# Altium PCB Ixora.PcbDoc (part 10 of 13) (continued)
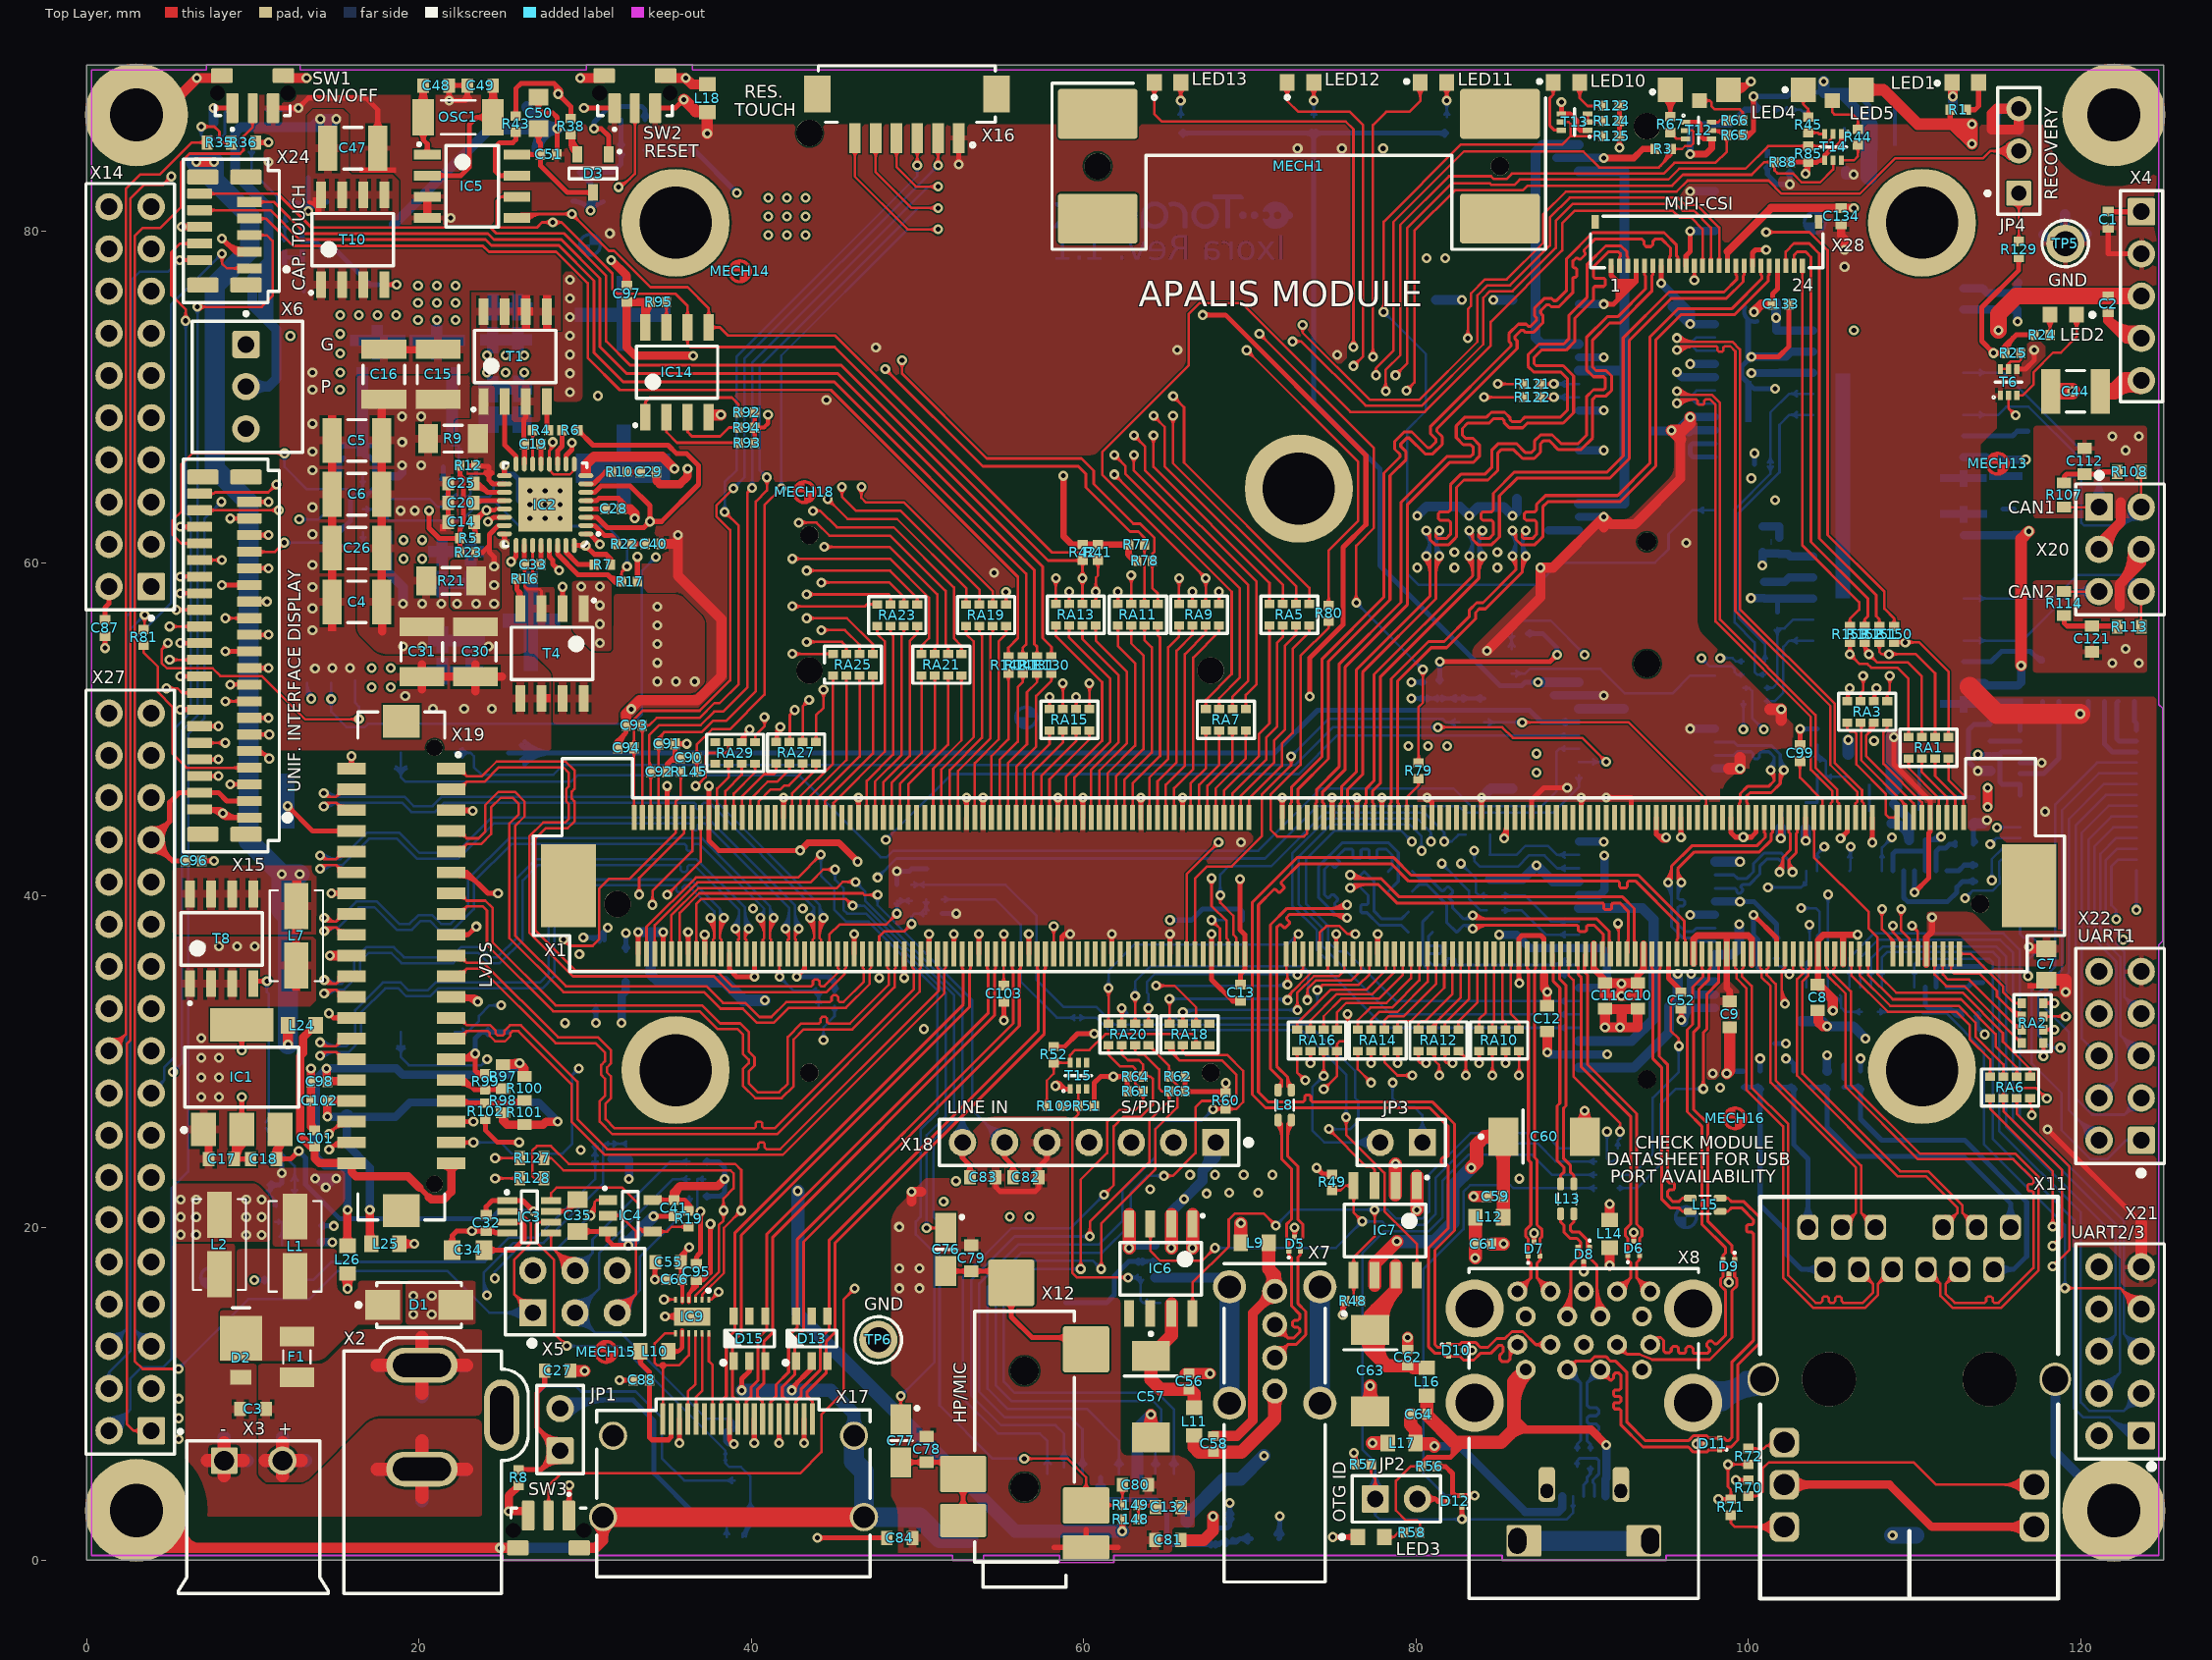
[diagram p0: Top Layer view]
## Nets (pads, with @x,y where several pads share a name; then routed paths per layer and width w, separated by ;. In a path a pad name is that pad's centre, name@x,y a point inside that pad or via, vN(x,y) a via of type N, cw(c..) or ccw(c..) an arc to the next point about the centre after c; other vN are vias at no path point) (continued)
  Mid-Layer 2 w1.2: X17.S4@31.683,7.5 31.683,5.083 31.083,4.483 31.083,2.612 31.096,2.6 X17.S2@46.783,2.6 58.912,2.6 62.612,6.3 68.75,6.3 v1(70.85,6.3) 73.127,6.3 74.22,7.393 ; 68.78,6.33 X7.S4@68.78,9.46 ; X7.S1@74.22,9.46 X7.S1@74.22,8.6 ; 75.313,8.485 74.22,7.393 ; X8.S1@83.53,9.48 X8.S4@96.67,9.48 ; X8.S1@84.343,10.293 ccw(c86.306,12.256) 86.306,9.48 ; X9.S2@86.1,1.175 86.1,4.3 83.53,6.87 83.53,8.6 80.587,8.6 75.943,8.6 X7.S1@74.22,8.6 ; 86.1,2.661 ccw(c87.286,2.661) X9.S2@86.447,1.822 ; X8.S4@95.857,8.667 ccw(c93.894,6.704) 93.894,9.48 ccw(c93.894,12.256) X8.S4@95.857,10.293 ; 74.22,7.393 X7.S1@74.22,8.6
  Bottom Layer w0.6: v1(24.885,0.75) 30.65,0.75 31.083,1.183 X17.S1@31.083,2.6 ; X17.S1@30.694,2.211 cw(c29.755,1.272) 31.083,1.272 cw(c32.411,1.272) X17.S1@31.472,2.211 ; R117.2@64.304,17.02 68.22,17.02 X7.S3@68.78,16.46 ; X11.S1@118.47,10.9 118.47,6.53 pad.M3@122,3
  Bottom Layer w0.8: v1(39.433,10.231) v1(42.45,10.231) 44.78,10.231 46.183,8.828 X17.S3@46.183,7.5 ; X17.S3@45.865,7.818 ccw(c45.097,8.586) 46.183,8.586 ccw(c47.27,8.586) X17.S3@46.501,7.818 ; X10.S1@66.23,2.35 66.23,2.66 68.47,4.9 69.45,4.9 v1(70.85,6.3)
  Bottom Layer w1: X8.S4@96.67,9.48 98.45,9.48 ; X8.S4@96.795,9.696 ccw(c97.688,11.24) 98.949,9.979 ; X8.S4@97.296,10.562 ccw(c98.363,12.407) 99.87,10.9 ; X8.S4@97.846,9.056 cw(c98.45,8.838) 98.45,9.48 cw(c98.45,10.122) X8.S4@97.846,9.904 ; X11.S2@100.574,10.597 ccw(c99.87,9.93) 99.87,10.9 ; X11.S2@100.574,11.203 cw(c99.87,11.87) 99.87,10.9 ; X11.S2@100.863,10.385 ccw(c100.652,7.278) 98.45,9.48 ; X11.S2@100.893,10.9 99.87,10.9 ; 98.45,9.48 99.87,10.9
  Bottom Layer w1.2: X17.S3@46.183,7.5 46.183,5.95 46.783,5.35 X17.S2@46.783,2.6 50.1,2.6 51.35,1.35 X10.S2@53.07,1.35 ; X7.S4@68.78,9.46 X7.S3@68.78,16.46 ; X7.S1@74.22,9.46 X7.S2@74.22,16.46 ; X9.S2@86.1,1.175 X9.S1@94.1,1.175
SHIELD2: L18.2 pad.M3@3,87 pad.M3@122,87 SW1.SH1 SW1.SH2 SW2.SH1 SW2.SH2 | length 129.6
  Top Layer w0.6: pad.M3@4.45,87 v1(6.65,89.2) SW1.SH2@8.5,89.2 ; SW1.SH1@11.85,89.35 12,89.2 v1(13.243,89.2) ; v1(29.708,89.2) SW2.SH2@31.1,89.2 ; SW2.SH1@34.664,89.2 v1(36.056,89.2) 36.426,88.83 L18.2@37.35,88.83
  Top Layer w0.7: pad.M3@3,87 pad.M3@4.45,87
  Mid-Layer 1 w0.7: v1(6.65,89.2) v1(13.243,89.2) v1(36.056,89.2) 97.545,89.2 99.395,87.35 104.155,87.35 105.655,88.85 118.033,88.85 119.883,87 pad.M3@122,87
SPDIF1_IN: RA13.5 X18.2 | length 50.6
  Top Layer w0.15: v1@58.172,58.947 cw(c57.788,58.563) 58.331,58.563 cw(c58.874,58.563) v1@58.49,58.947 ; RA13.5@58.207,57.68 ccw(c57.909,57.979) 58.331,57.979 ccw(c58.754,57.979) RA13.5@58.455,57.68 ; RA13.5@58.331,57.556 v1(58.331,59.106)
  Mid-Layer 2 w0.15: v1(58.331,59.106) 59.131,59.106 59.766,58.471 59.766,57.607 61.519,55.855 61.519,51.232 61.138,50.851 61.138,37.363 59.233,35.458 59.233,30.367 62.5,27.1 63.46,27.1 X18.2@65.41,25.15 ; v1@58.49,58.947 cw(c58.874,58.563) 58.874,59.106 cw(c58.874,59.649) v1@58.49,59.265 ; X18.2@64.66,25.15 ccw(c62.849,25.15) 64.13,26.43 ccw(c65.41,27.711) X18.2@65.41,25.9 ; X18.2@64.81,25.15 ccw(c63.361,25.15) 64.386,26.174 ccw(c65.41,27.199) X18.2@65.41,25.75 ; X18.2@64.96,25.15 ccw(c63.874,25.15) 64.642,25.918 ccw(c65.41,26.686) X18.2@65.41,25.6
SPDIF1_OUT: RA13.6 X18.3 | length 41.5
  Top Layer w0.15: v1@58.972,58.134 cw(c58.588,57.75) 59.131,57.75 cw(c59.674,57.75) v1@59.29,58.134 ; RA13.6@59.007,57.68 ccw(c58.709,57.979) 59.131,57.979 ccw(c59.554,57.979) RA13.6@59.255,57.68 ; RA13.6@59.131,57.556 v1(59.131,58.293)
  Mid-Layer 2 w0.15: v1@58.972,58.134 cw(c58.588,57.75) 59.131,57.75 cw(c59.674,57.75) v1@59.29,58.134 ; v1(59.131,58.293) 59.131,57.404 60.935,55.601 60.935,51.474 60.554,51.093 60.554,37.694 58.733,35.873 58.733,30.387 62.87,26.25 ; X18.3@62.596,25.848 ccw(c62.438,26.25) 62.87,26.25 ; X18.3@62.651,25.709 ccw(c62.525,26.03) 62.87,26.03 ccw(c63.215,26.03) X18.3@63.089,25.709 ; X18.3@62.87,25.15 62.87,26.25 ; X18.3@63.144,25.848 cw(c63.302,26.25) 62.87,26.25
SPI1_CLK: RA15.8 X27.8 | length 110.2
  Top Layer w0.15: v1@60.191,52.622 cw(c59.807,52.238) 60.35,52.238 cw(c60.894,52.238) v1@60.509,52.622 ; RA15.8@60.227,51.356 ccw(c59.928,51.654) 60.35,51.654 ccw(c60.773,51.654) RA15.8@60.474,51.356 ; RA15.8@60.35,51.232 v1(60.35,52.781)
  Mid-Layer 2 w0.15: v1(56.743,20.668) 57.868,20.668 61.58,24.38 61.58,26.431 57.725,30.286 57.725,38.475 59.42,40.17 59.42,50.936 60.35,51.765 v1(60.35,52.781) ; v1@56.902,20.509 cw(c57.286,20.125) 57.286,20.668 cw(c57.286,21.211) v1@56.902,20.827 ; v1@60.191,52.622 cw(c59.807,52.238) 60.35,52.238 cw(c60.894,52.238) v1@60.509,52.622
  Mid-Layer 1 w0.15: X27.8@1.36,15.42 2.63,14.15 ; X27.8@1.363,14.82 cw(c1.372,13.4) 2.376,14.404 cw(c3.38,15.408) X27.8@1.96,15.417 ; X27.8@1.363,14.97 cw(c1.369,13.905) 2.122,14.658 cw(c2.875,15.411) X27.8@1.81,15.417 ; X27.8@1.364,14.67 cw(c1.375,12.895) 2.63,14.15 ; X27.8@2.11,15.416 ccw(c3.885,15.405) 2.63,14.15 ; v1@56.518,20.668 cw(c55.975,20.668) 56.359,20.284 cw(c56.743,19.9) v1@56.743,20.443 ; v1(56.743,20.668) 55.582,19.507 42.215,19.507 40.843,18.136 35.839,18.136 33.782,20.193 24.865,20.193 23.189,18.517 17.013,18.517 15.87,17.374 11.76,17.374 8.537,14.15 2.63,14.15
SPI1_CS: RA15.5 X27.9 | length 98.4
  Top Layer w0.15: v1@57.791,51.809 cw(c57.407,51.425) 57.95,51.425 cw(c58.494,51.425) v1@58.11,51.809 ; RA15.5@57.827,51.356 ccw(c57.528,51.654) 57.95,51.654 ccw(c58.373,51.654) RA15.5@58.074,51.356 ; RA15.5@57.95,51.232 v1(57.95,51.968)
  Mid-Layer 2 w0.15: v1@51.424,21.746 ccw(c51.039,22.13) 51.583,22.13 ccw(c52.126,22.13) v1@51.742,21.746 ; v1@51.583,21.587 v1(51.583,21.59) 51.583,22.804 52.095,23.317 58.725,23.317 58.984,23.576 58.984,26.714 55.75,29.948 55.75,39.75 57.02,41.02 57.02,51.038 v1(57.95,51.968) ; v1@57.725,51.968 cw(c57.182,51.968) 57.566,51.584 cw(c57.95,51.2) v1@57.95,51.743
  Mid-Layer 1 w0.15: X27.9@3.9,17.96 8.384,17.96 8.661,18.237 15.001,18.237 16.83,20.066 21.844,20.066 22.999,21.221 25.463,21.221 26.307,22.065 34.831,22.065 37.49,19.406 39.141,19.406 41.326,21.59 v1(51.583,21.59) ; X27.9@4.427,17.674 cw(c4.908,17.413) 4.908,17.96 cw(c4.908,18.507) X27.9@4.427,18.246 ; X27.9@4.559,17.602 cw(c5.16,17.277) 5.16,17.96 cw(c5.16,18.643) X27.9@4.559,18.318 ; v1@51.424,21.431 ccw(c51.039,21.047) 51.039,21.59 ccw(c51.039,22.133) v1@51.424,21.749
SPI1_MISO: RA15.7 X27.10 | length 108
  Top Layer w0.15: v1@59.391,51.809 cw(c59.007,51.425) 59.55,51.425 cw(c60.094,51.425) v1@59.71,51.809 ; RA15.7@59.427,51.356 ccw(c59.128,51.654) 59.55,51.654 ccw(c59.973,51.654) RA15.7@59.674,51.356 ; RA15.7@59.55,51.232 v1(59.55,51.968)
  Mid-Layer 2 w0.15: v1(55.554,20.668) 56.197,21.311 57.905,21.311 61.33,24.736 61.33,26.192 58.363,29.159 57.963,29.159 57.175,29.947 57.175,38.575 58.925,40.325 58.925,51.343 v1(59.55,51.968) ; v1@55.554,20.893 ccw(c55.554,21.436) 55.938,21.052 ccw(c56.323,20.668) v1@55.779,20.668 ; v1@59.325,51.968 cw(c58.782,51.968) 59.166,51.584 cw(c59.55,51.2) v1@59.55,51.743
  Mid-Layer 1 w0.15: X27.10@1.36,17.21 cw(c1.36,15.399) 2.64,16.68 cw(c3.921,17.96) X27.10@2.11,17.96 ; X27.10@1.36,17.36 cw(c1.36,15.911) 2.384,16.936 cw(c3.409,17.96) X27.10@1.96,17.96 ; X27.10@1.36,17.51 cw(c1.36,16.424) 2.128,17.192 cw(c2.896,17.96) X27.10@1.81,17.96 ; X27.10@1.36,17.96 2.67,16.65 7.989,16.65 9.169,17.831 15.443,17.831 17.196,19.583 22.19,19.583 23.325,20.718 25.671,20.718 26.515,21.562 34.389,21.562 37.196,18.756 40.015,18.756 41.928,20.668 v1(55.554,20.668) ; v1@55.395,20.509 ccw(c55.011,20.125) 55.011,20.668 ccw(c55.011,21.211) v1@55.395,20.827
SPI1_MOSI: RA15.6 X27.11 | length 95.8
  Top Layer w0.15: v1@58.591,52.622 cw(c58.207,52.238) 58.75,52.238 cw(c59.294,52.238) v1@58.91,52.622 ; RA15.6@58.627,51.356 ccw(c58.328,51.654) 58.75,51.654 ccw(c59.173,51.654) RA15.6@58.874,51.356 ; RA15.6@58.75,51.232 v1(58.75,52.781)
  Mid-Layer 2 w0.15: v1(52.325,22.821) 58.847,22.821 59.284,23.258 59.284,26.895 57.658,28.52 57.658,28.778 56.225,30.211 56.225,39.175 57.82,40.77 57.82,51.064 58.744,51.887 ; v1@52.484,22.662 cw(c52.869,22.278) 52.869,22.821 cw(c52.869,23.365) v1@52.484,22.98 ; v1@58.591,52.622 cw(c58.207,52.238) 58.75,52.238 cw(c59.294,52.238) v1@58.91,52.622 ; 58.75,51.887 v1(58.75,52.781)
  Mid-Layer 1 w0.15: X27.11@3.9,20.5 4.868,20.5 ; X27.11@4.626,20.313 cw(c4.868,20.25) 4.868,20.5 ; X27.11@4.626,20.687 ccw(c4.868,20.75) 4.868,20.5 ; v1@52.1,22.821 ccw(c51.557,22.821) 51.941,23.205 ccw(c52.325,23.59) v1@52.325,23.046 ; v1(52.325,22.821) 51.576,23.571 32.182,23.571 31.177,22.567 26.099,22.567 25.255,21.723 22.612,21.723 21.438,20.549 15.385,20.549 15.182,20.752 13.757,20.752 13.14,20.135 5.233,20.135 4.868,20.5
SPI2_CLK: R142.1 X24.7 | length 64.5
  Top Layer w0.165: X24.7@9.8,80.75 10.792,80.75 12.432,79.11 23.851,79.11 24.209,78.752 28.269,78.752 30.164,76.857 30.164,72.361 32.091,70.434 44.791,70.434 56.047,59.178 56.047,55.495 55.474,54.922 R142.1@55.474,54.353 ; X24.7@10.404,80.596 cw(c10.775,80.225) 10.775,80.75 cw(c10.775,81.275) X24.7@10.404,80.904 ; R142.1@55.33,54.497 ccw(c54.985,54.842) 55.474,54.842 ccw(c55.962,54.842) R142.1@55.617,54.497
SPI2_CS: R141.1 X24.8 | length 68
  Top Layer w0.165: X24.8@6.8,81.25 11.062,81.25 12.821,79.491 24.009,79.491 24.367,79.133 28.427,79.133 30.545,77.014 30.545,72.68 32.296,70.929 44.996,70.929 56.542,59.384 56.542,55.122 56.337,54.917 R141.1@56.337,54.353 ; X24.8@7.404,81.096 cw(c7.775,80.725) 7.775,81.25 cw(c7.775,81.775) X24.8@7.404,81.404 ; R141.1@56.194,54.497 ccw(c55.848,54.842) 56.337,54.842 ccw(c56.826,54.842) R141.1@56.48,54.497
SPI2_MISO: R130.1 X24.10 | length 69.6
  Top Layer w0.165: X24.10@6.8,82.25 11.501,82.25 13.538,80.213 24.308,80.213 24.666,79.855 28.726,79.855 31.267,77.314 31.267,73.372 32.71,71.929 45.41,71.929 57.542,59.798 57.542,55.495 58.064,54.973 R130.1@58.064,54.353 ; X24.10@7.404,82.096 cw(c7.775,81.725) 7.775,82.25 cw(c7.775,82.775) X24.10@7.404,82.404 ; R130.1@57.921,54.497 ccw(c57.576,54.842) 58.064,54.842 ccw(c58.553,54.842) R130.1@58.208,54.497
SPI2_MOSI: R131.1 X24.9 | length 65.7
  Top Layer w0.165: X24.9@9.8,81.75 11.269,81.75 13.172,79.847 24.156,79.847 24.514,79.489 28.574,79.489 30.901,77.162 30.901,73.032 32.503,71.429 45.203,71.429 57.042,59.591 57.042,55.139 57.198,54.984 R131.1@57.198,54.353 ; X24.9@10.404,81.596 cw(c10.775,81.225) 10.775,81.75 cw(c10.775,82.275) X24.9@10.404,81.904 ; R131.1@57.055,54.497 ccw(c56.709,54.842) 57.198,54.842 ccw(c57.687,54.842) R131.1@57.341,54.497
UART1_CTS: IC13.15 RA10.8 | length 52.3
  Top Layer w0.15: v1@83.641,30.093 ccw(c83.257,30.477) 83.8,30.477 ccw(c84.343,30.477) v1@83.959,30.093 ; RA10.8@83.676,30.51 cw(c83.378,30.212) 83.8,30.212 cw(c84.222,30.212) RA10.8@83.924,30.51 ; RA10.8@83.704,30.465 cw(c83.679,30.378) 83.767,30.354 ; v1(83.8,29.934) RA10.8@83.8,30.634 ; 83.833,30.354 cw(c83.921,30.378) RA10.8@83.896,30.465
  Mid-Layer 1 w0.15: v1(83.8,29.934) 85.032,31.166 88.802,31.166 92.384,27.584 104.851,27.584 105.68,28.413 105.68,31.487 107.645,33.452 115.122,33.452 v1(116.834,35.164) ; v1@83.8,30.159 ccw(c83.8,30.702) 84.184,30.318 ccw(c84.568,29.934) v1@84.025,29.934 ; v1@116.609,35.164 cw(c116.066,35.164) 116.45,34.779 cw(c116.834,34.395) v1@116.834,34.939
  Bottom Layer w0.15: IC13.15@116.35,41.504 116.35,37.701 116.586,37.465 117.119,37.465 117.399,37.186 117.399,36.678 116.834,36.113 v1(116.834,35.164) ; v1@116.675,35.323 ccw(c116.291,35.707) 116.834,35.707 ccw(c117.377,35.707) v1@116.993,35.323
UART1_DCD: IC13.19 RA12.8 | length 49.6
  Top Layer w0.15: RA12.8@80.026,30.51 cw(c79.728,30.212) 80.15,30.212 cw(c80.573,30.212) RA12.8@80.274,30.51 ; RA12.8@80.15,30.634 80.15,30.035 80.251,29.934 ; v1@80.395,29.841 ccw(c80.251,29.776) 80.251,29.934 ; v1@80.395,30.027 cw(c80.251,30.092) 80.251,29.934 ; v1(80.6,29.934) 80.251,29.934
  Mid-Layer 1 w0.15: v1@80.441,30.093 ccw(c80.057,30.477) 80.6,30.477 ccw(c81.143,30.477) v1@80.759,30.093 ; v1(80.6,29.934) 80.6,31.931 86.056,37.387 103.566,37.387 108.85,42.672 113.149,42.672 114.587,44.11 ; 113.94,43.464 cw(c114.958,42.446) v1@114.958,43.885 ; 114.196,43.72 cw(c114.958,42.959) v1@114.958,44.035 ; 114.453,43.976 cw(c114.958,43.471) v1@114.958,44.185 ; v1@114.758,44.006 ccw(c114.587,43.917) 114.587,44.11 ; v1@114.758,44.214 cw(c114.587,44.303) 114.587,44.11 ; v1(114.958,44.11) 114.587,44.11
  Bottom Layer w0.15: v1(114.958,44.11) 116.344,44.11 IC13.19@116.35,44.104 ; v1@115.117,43.951 cw(c115.501,43.567) 115.501,44.11 cw(c115.501,44.653) v1@115.117,44.269
UART1_DSR: IC13.17 RA12.6 | length 47
  Top Layer w0.15: RA12.6@81.626,30.51 cw(c81.328,30.212) 81.75,30.212 cw(c82.173,30.212) RA12.6@81.874,30.51 ; RA12.6@81.75,30.634 81.75,30.02 81.836,29.934 ; v1@81.999,29.834 ccw(c81.836,29.753) 81.836,29.934 ; v1@81.999,30.034 cw(c81.836,30.115) 81.836,29.934 ; v1(82.2,29.934) 81.836,29.934
  Mid-Layer 1 w0.15: v1@82.041,30.093 ccw(c81.657,30.477) 82.2,30.477 ccw(c82.743,30.477) v1@82.359,30.093 ; v1(82.2,29.934) 82.2,32.313 86.55,36.662 103.866,36.662 108.875,41.672 112.303,41.672 113.049,40.925 v1(114.65,40.925) ; v1@114.491,40.766 ccw(c114.107,40.382) 114.107,40.925 ccw(c114.107,41.469) v1@114.491,41.085
  Bottom Layer w0.15: v1@114.491,41.085 ccw(c114.107,41.469) 114.65,41.469 ccw(c115.193,41.469) v1@114.809,41.085 ; v1(114.65,40.925) 114.65,42.2 115.254,42.804 IC13.17@116.35,42.804
UART1_DTR: IC13.12 RA10.5 | length 57.5
  Top Layer w0.15: v1@86.041,29.343 ccw(c85.657,29.727) 86.2,29.727 ccw(c86.743,29.727) v1@86.359,29.343 ; RA10.5@86.076,30.51 cw(c85.778,30.212) 86.2,30.212 cw(c86.622,30.212) RA10.5@86.324,30.51 ; v1(86.2,29.184) RA10.5@86.2,30.634
  Mid-Layer 1 w0.15: v1@86.2,28.959 cw(c86.2,28.416) 86.584,28.8 cw(c86.968,29.184) v1@86.425,29.184 ; v1(86.2,29.184) 89.041,26.343 106.601,26.343 107.351,25.592 112.333,25.592 117.25,30.509 117.25,33.786 120.816,37.351 v1(122.563,37.351) ; v1@122.404,37.192 ccw(c122.019,36.808) 122.019,37.351 ccw(c122.019,37.895) v1@122.404,37.511
  Bottom Layer w0.15: v1@122.338,37.351 ccw(c121.794,37.351) 122.179,37.736 ccw(c122.563,38.12) v1@122.563,37.576 ; v1(122.563,37.351) 121.514,38.4 121.514,42.139 122.179,42.804 IC13.12@123.35,42.804
UART1_RI: IC13.18 RA12.7 | length 48.4
  Top Layer w0.15: RA12.7@80.904,30.513 cw(c80.605,30.054) 81.153,30.054 ; RA12.7@80.95,30.634 81.153,30.431 81.153,30.048 81.4,29.801 v1(81.4,29.184) ; RA12.7@80.986,30.613 cw(c80.786,30.305) 81.153,30.305 ; v1@81.241,29.343 ccw(c80.857,29.727) 81.4,29.727 ccw(c81.943,29.727) v1@81.559,29.343
  Mid-Layer 1 w0.15: v1@81.241,29.343 ccw(c80.857,29.727) 81.4,29.727 ccw(c81.943,29.727) v1@81.559,29.343 ; v1(81.4,29.184) 81.4,32.113 86.312,37.025 103.716,37.025 108.863,42.172 113.632,42.172 v1(114.56,43.1) ; v1@114.335,43.1 cw(c113.791,43.1) 114.176,42.716 cw(c114.56,42.332) v1@114.56,42.875
  Bottom Layer w0.15: v1(114.56,43.1) 114.914,43.454 ; v1@114.573,43.325 ccw(c114.599,43.768) 114.914,43.454 ; v1@114.784,43.113 cw(c115.228,43.14) 114.914,43.454 ; IC13.18@116.35,43.454 114.914,43.454
UART1_RS232_CTS: IC13.8 X22.6 | length 17.8
  Bottom Layer w0.15: X22.6@121.1,30.36 120.066,31.394 120.066,43.79 121.68,45.404 IC13.8@123.35,45.404
UART1_RS232_DCD: IC13.4 X22.1 | length 33.3
  Bottom Layer w0.15: X22.1@122.903,25.14 ccw(c122.734,25.108) 122.734,25.28 ; X22.1@122.903,25.42 cw(c122.734,25.452) 122.734,25.28 ; IC13.4@123.35,48.004 120.978,48.004 118.474,45.5 118.474,35.738 117.043,34.308 117.043,29.921 118.847,28.118 118.847,25.883 120.574,24.155 121.609,24.155 122.734,25.28 ; X22.1@123.64,25.28 122.734,25.28
UART1_RS232_DSR: IC13.6 X22.2 | length 33
  Bottom Layer w0.15: X22.2@120.35,25.28 ccw(c118.539,25.28) 119.82,26.56 ccw(c121.1,27.841) X22.2@121.1,26.03 ; X22.2@120.5,25.28 ccw(c119.051,25.28) 120.076,26.304 ccw(c121.1,27.329) X22.2@121.1,25.88 ; X22.2@120.65,25.28 ccw(c119.564,25.28) 120.332,26.048 ccw(c121.1,26.816) X22.2@121.1,25.73 ; X22.2@121.1,25.28 119.278,27.102 119.278,31.801 117.864,33.215 117.864,33.968 119.295,35.398 119.295,44.619 121.38,46.704 IC13.6@123.35,46.704
UART1_RS232_DTR: IC13.11 X22.7 | length 17.7
  Bottom Layer w0.15: X22.7@122.903,33.042 ccw(c121.962,33.222) 122.64,33.9 ; X22.7@123.051,33.013 ccw(c122.298,33.158) 122.84,33.7 ccw(c123.382,34.242) X22.7@123.527,33.489 ; X22.7@123.198,32.985 ccw(c122.633,33.093) 123.04,33.5 ccw(c123.447,33.907) X22.7@123.555,33.342 ; IC13.11@123.35,43.454 122.118,43.454 121.183,42.52 121.183,38.049 122.64,36.593 122.64,33.9 ; X22.7@123.498,33.637 cw(c123.318,34.578) 122.64,33.9 ; X22.7@123.64,32.9 122.64,33.9
UART1_RS232_RI: IC13.5 X22.8 | length 32.4
  Mid-Layer 2 w0.15: v1(118.783,30.848) 119.393,30.848 119.659,31.115 119.659,31.445 121.1,32.886 X22.8@121.1,32.9 ; v1@118.942,30.689 cw(c119.326,30.305) 119.326,30.848 cw(c119.326,31.391) v1@118.942,31.007 ; 120.149,31.935 ccw(c119.294,32.79) X22.8@120.501,32.864 ; 120.155,31.941 cw(c121.025,31.071) X22.8@121.075,32.301 ; X22.8@120.351,32.854 cw(c118.85,32.763) 119.913,31.699 cw(c121.006,30.606) X22.8@121.069,32.151 ; 120.385,32.17 ccw(c119.738,32.817) X22.8@120.651,32.873 ; 120.397,32.183 cw(c121.044,31.536) X22.8@121.082,32.45
  Bottom Layer w0.15: v1@118.624,30.689 ccw(c118.24,30.305) 118.24,30.848 ccw(c118.24,31.391) v1@118.624,31.007 ; v1(118.783,30.848) 118.199,30.848 117.454,31.594 117.454,34.138 118.884,35.568 118.884,45.148 121.09,47.354 IC13.5@123.35,47.354
UART1_RS232_RTS: IC13.9 X22.4 | length 25
  Bottom Layer w0.15: X22.4@121.1,27.82 122.14,28.86 ; X22.4@121.171,28.264 ccw(c121.271,28.897) 121.724,28.444 ccw(c122.177,27.991) X22.4@121.544,27.891 ; X22.4@121.194,28.413 ccw(c121.328,29.256) 121.932,28.652 ccw(c122.536,28.048) X22.4@121.693,27.914 ; X22.4@121.218,28.561 ccw(c121.385,29.614) 122.14,28.86 ; X22.4@121.841,27.938 cw(c122.894,28.105) 122.14,28.86 ; IC13.9@123.35,44.754 121.843,44.754 120.472,43.383 120.472,37.694 122.14,36.026 122.14,28.86
UART1_RS232_RXD: IC13.7 X22.3 | length 30.1
  Bottom Layer w0.15: X22.3@122.903,27.678 cw(c121.962,27.498) 122.64,26.82 ; X22.3@123.051,27.707 cw(c122.298,27.562) 122.84,27.02 cw(c123.382,26.478) X22.3@123.527,27.231 ; X22.3@123.198,27.735 cw(c122.633,27.627) 123.04,27.22 cw(c123.447,26.814) X22.3@123.555,27.378 ; IC13.7@123.35,46.054 121.517,46.054 119.705,44.242 119.705,27.801 120.686,26.82 122.64,26.82 ; X22.3@123.498,27.083 ccw(c123.318,26.143) 122.64,26.82 ; X22.3@123.64,27.82 122.64,26.82
UART1_RS232_TXD: IC13.10 X22.5 | length 23.4
  Bottom Layer w0.15: X22.5@122.89,30.373 ccw(c121.182,30.402) 122.39,31.61 ; X22.5@123.04,30.37 ccw(c121.674,30.394) 122.64,31.36 ccw(c123.606,32.326) X22.5@123.63,30.96 ; X22.5@123.19,30.368 ccw(c122.165,30.385) 122.89,31.11 ccw(c123.615,31.835) X22.5@123.632,30.81 ; IC13.10@123.35,44.104 121.955,44.104 120.828,42.977 120.828,37.871 122.39,36.309 122.39,31.61 ; X22.5@123.627,31.11 cw(c123.598,32.818) 122.39,31.61 ; X22.5@123.64,30.36 122.39,31.61
UART1_RTS: IC13.14 RA10.7 | length 56
  Top Layer w0.15: v1@84.441,29.343 ccw(c84.057,29.727) 84.6,29.727 ccw(c85.143,29.727) v1@84.759,29.343 ; RA10.7@84.476,30.51 cw(c84.178,30.212) 84.6,30.212 cw(c85.022,30.212) RA10.7@84.724,30.51 ; v1(84.6,29.184) RA10.7@84.6,30.634
  Mid-Layer 1 w0.15: v1@84.441,29.343 ccw(c84.057,29.727) 84.6,29.727 ccw(c85.143,29.727) v1@84.759,29.343 ; v1(84.6,29.184) 84.6,30.05 85.081,30.531 86.944,30.531 89.154,28.321 90.678,28.321 91.829,27.17 105.352,27.17 106.197,28.016 106.197,31.29 107.902,32.995 115.367,32.995 121.522,39.15 v1(123.35,39.15) ; v1@123.191,38.991 ccw(c122.807,38.607) 122.807,39.15 ccw(c122.807,39.693) v1@123.191,39.309
  Bottom Layer w0.15: v1@123.191,39.309 ccw(c122.807,39.693) 123.35,39.693 ccw(c123.893,39.693) v1@123.509,39.309 ; v1(123.35,39.15) 123.35,39.809 IC13.14@123.35,41.504
UART1_RXD: IC13.16 RA12.5 | length 48.4
  Top Layer w0.15: RA12.5@82.55,30.634 82.6,30.634 83,30.234 v1(83,29.184) ; RA12.5@82.6,30.459 cw(c82.6,30.037) 82.898,30.336 ; RA12.5@82.775,30.634 ccw(c83.198,30.634) 82.899,30.335 ; v1@82.841,29.343 ccw(c82.457,29.727) 83,29.727 ccw(c83.543,29.727) v1@83.159,29.343
  Mid-Layer 1 w0.15: v1@82.841,29.343 ccw(c82.457,29.727) 83,29.727 ccw(c83.543,29.727) v1@83.159,29.343 ; v1(83,29.184) 83,32.543 86.757,36.3 104.016,36.3 108.913,41.197 111.703,41.197 v1(113.05,39.85) ; v1@112.825,39.85 ccw(c112.282,39.85) 112.666,40.234 ccw(c113.05,40.618) v1@113.05,40.075
  Bottom Layer w0.15: v1@112.975,39.912 113.112,39.912 113.5,40.3 114.696,40.3 115.125,40.729 115.125,41.122 115.103,41.144 115.103,42.05 115.207,42.154 IC13.16@116.35,42.154 ; v1@113.05,40.075 ccw(c113.05,40.618) 113.434,40.234 ccw(c113.818,39.85) v1@113.275,39.85
UART1_TXD: IC13.13 RA10.6 | length 55.4
  Top Layer w0.15: v1@85.241,30.093 ccw(c84.857,30.477) 85.4,30.477 ccw(c85.943,30.477) v1@85.559,30.093 ; RA10.6@85.276,30.51 cw(c84.977,30.212) 85.4,30.212 cw(c85.822,30.212) RA10.6@85.524,30.51 ; RA10.6@85.304,30.465 cw(c85.279,30.378) 85.367,30.354 ; v1(85.4,29.934) RA10.6@85.4,30.634 ; 85.433,30.354 cw(c85.521,30.378) RA10.6@85.496,30.465
  Mid-Layer 1 w0.15: v1(85.4,29.934) 86.627,29.934 88.951,27.61 90.475,27.61 91.328,26.757 107.432,26.757 108.15,26.039 112.09,26.039 116.713,30.662 116.713,33.782 121.512,38.581 v1(122.131,38.581) ; v1@85.559,29.775 cw(c85.943,29.391) 85.943,29.934 cw(c85.943,30.477) v1@85.559,30.093 ; v1@121.972,38.422 ccw(c121.588,38.038) 121.588,38.581 ccw(c121.588,39.124) v1@121.972,38.74
  Bottom Layer w0.15: v1@121.972,38.74 ccw(c121.588,39.124) 122.131,39.124 ccw(c122.674,39.124) v1@122.29,38.74 ; v1(122.131,38.581) 122.131,39.134 121.844,39.421 121.844,41.758 122.24,42.154 IC13.13@123.35,42.154
UART2/3_RS232_FOFF#: IC12.22 R116.1 X1.180 | length 55.8
  Top Layer w0.15: v1@67.7,38.307 cw(c67.7,37.764) 68.084,38.148 cw(c68.468,38.532) v1@67.925,38.532 ; v1(67.7,38.532) 68.2,38.032 X1.180@68.2,36.5 ; X1.180@68.147,37.153 ccw(c68.019,37.281) 68.2,37.281 ccw(c68.381,37.281) X1.180@68.253,37.153
  Mid-Layer 1 w0.15: v1@67.7,38.307 cw(c67.7,37.764) 68.084,38.148 cw(c68.468,38.532) v1@67.925,38.532 ; v1(67.7,38.532) 69.326,36.906 77.826,36.906 82.245,41.326 84.811,41.326 88.139,44.654 107.496,44.654 v1(108.65,43.5) ; v1@108.425,43.5 ccw(c107.882,43.5) 108.266,43.884 ccw(c108.65,44.268) v1@108.65,43.725
  Bottom Layer w0.15: v1(67.7,38.532) R116.1@68.608,38.532 ; v1@67.859,38.373 cw(c68.243,37.989) 68.243,38.532 cw(c68.243,39.075) v1@67.859,38.691 ; IC12.22@107.937,42.306 ccw(c107.681,42.562) 108.043,42.562 ccw(c108.405,42.562) IC12.22@108.149,42.306 ; IC12.22@108.043,41.5 108.043,42.893 v1(108.65,43.5) ; v1@108.425,43.5 cw(c107.882,43.5) 108.266,43.116 cw(c108.65,42.732) v1@108.65,43.275
UART2_CTS: IC12.15 RA14.7 | length 41.3
  Top Layer w0.15: v1@77.141,30.093 ccw(c76.757,30.477) 77.3,30.477 ccw(c77.843,30.477) v1@77.459,30.093 ; RA14.7@77.176,30.51 cw(c76.877,30.211) 77.3,30.211 cw(c77.722,30.212) RA14.7@77.424,30.51 ; v1@77.19,30.13 ccw(c77.054,30.375) 77.324,30.303 ccw(c77.464,30.265) v1@77.4,30.136 ; v1@77.2,30.136 ccw(c77.136,30.265) 77.276,30.303 ccw(c77.546,30.375) v1@77.41,30.13 ; v1(77.3,29.934) RA14.7@77.3,30.634
  Mid-Layer 1 w0.15: v1@77.141,30.067 ccw(c76.757,30.451) 77.3,30.451 ccw(c77.843,30.451) v1@77.459,30.067 ; v1(77.3,29.934) 77.3,34.333 82.845,39.878 90.729,39.878 92.735,41.885 96.672,41.885 97.458,41.099 100.58,41.099 v1(101.183,40.497) ; v1@100.958,40.497 ccw(c100.415,40.497) 100.799,40.881 ccw(c101.183,41.265) v1@101.183,40.722
  Bottom Layer w0.15: v1(101.183,40.497) 103.176,40.497 103.493,40.814 IC12.15@103.493,41.5 ; v1@101.342,40.337 cw(c101.726,39.953) 101.726,40.497 cw(c101.726,41.04) v1@101.342,40.656 ; 103.214,40.534 cw(c103.493,40.255) IC12.15@103.493,40.65 ; 103.247,40.567 ccw(c103.014,40.8) IC12.15@103.343,40.8
UART2_RS232_CTS: IC12.8 X21.6 | length 42.4
  Bottom Layer w0.15: IC12.8@107.287,35.306 ccw(c107.031,35.562) 107.393,35.562 ccw(c107.755,35.562) IC12.8@107.499,35.306 ; IC12.8@107.393,34.5 107.393,36.244 108.1,36.95 114.9,36.95 115.499,36.351 115.499,26.103 122.1,19.502 122.1,13.58 ; X21.6@121.1,12.58 122.1,13.58 ; X21.6@121.185,13.022 ccw(c121.293,13.587) 121.7,13.18 ccw(c122.106,12.773) X21.6@121.542,12.665 ; X21.6@121.213,13.169 ccw(c121.358,13.922) 121.9,13.38 ccw(c122.442,12.838) X21.6@121.689,12.693 ; X21.6@121.242,13.317 ccw(c121.422,14.258) 122.1,13.58 ; X21.6@121.837,12.722 cw(c122.777,12.902) 122.1,13.58
UART2_RS232_RTS: IC12.9 X21.4 | length 48.6
  Bottom Layer w0.15: IC12.9@106.637,35.306 ccw(c106.381,35.562) 106.743,35.562 ccw(c107.105,35.562) IC12.9@106.849,35.306 ; IC12.9@106.743,34.5 106.743,36.269 107.825,37.35 115.15,37.35 115.91,36.59 115.91,26.431 122.35,19.991 122.35,11.29 ; X21.4@121.1,10.04 122.35,11.29 ; X21.4@121.108,10.49 ccw(c121.125,11.515) 121.85,10.79 ccw(c122.575,10.065) X21.4@121.55,10.048 ; X21.4@121.11,10.64 ccw(c121.134,12.006) 122.1,11.04 ccw(c123.066,10.074) X21.4@121.7,10.05 ; X21.4@121.113,10.79 ccw(c121.142,12.498) 122.35,11.29 ; X21.4@121.85,10.053 cw(c123.558,10.082) 122.35,11.29
UART2_RS232_RXD: IC12.7 X21.3 | length 47.6
  Bottom Layer w0.15: IC12.7@107.937,35.306 ccw(c107.681,35.562) 108.043,35.562 ccw(c108.405,35.562) IC12.7@108.149,35.306 ; IC12.7@108.043,34.5 108.043,36.292 108.352,36.6 114.726,36.6 115.087,36.239 115.087,25.844 120,20.931 120,9.5 120.5,9 122.6,9 ; X21.3@122.899,9.922 cw(c121.846,9.755) 122.6,9 ; X21.3@123.047,9.946 cw(c122.204,9.812) 122.808,9.208 cw(c123.412,8.604) X21.3@123.546,9.447 ; X21.3@123.196,9.969 cw(c122.563,9.869) 123.016,9.416 cw(c123.469,8.963) X21.3@123.569,9.596 ; X21.3@123.522,9.299 ccw(c123.355,8.246) 122.6,9 ; X21.3@123.64,10.04 122.6,9
UART2_RS232_TXD: IC12.10 X21.5 | length 45.6
  Bottom Layer w0.15: IC12.10@105.987,35.306 ccw(c105.731,35.562) 106.093,35.562 ccw(c106.455,35.562) IC12.10@106.199,35.306 ; IC12.10@106.093,34.5 106.093,36.269 107.55,37.725 115.355,37.725 116.322,36.758 116.322,26.68 122.6,20.402 122.6,13.62 ; X21.5@122.899,12.698 ccw(c121.846,12.865) 122.6,13.62 ; X21.5@123.047,12.674 ccw(c122.204,12.808) 122.808,13.412 ccw(c123.412,14.016) X21.5@123.546,13.173 ; X21.5@123.196,12.651 ccw(c122.563,12.751) 123.016,13.204 ccw(c123.469,13.657) X21.5@123.569,13.024 ; X21.5@123.522,13.321 cw(c123.355,14.374) 122.6,13.62 ; X21.5@123.64,12.58 122.6,13.62
UART2_RTS: IC12.14 RA14.6 | length 42.3
  Top Layer w0.15: RA14.6@77.976,30.51 cw(c77.677,30.211) 78.1,30.211 cw(c78.522,30.212) RA14.6@78.224,30.51 ; RA14.6@78.1,30.634 78.1,29.977 78.893,29.184 v1(79.775,29.184) ; v1@79.616,29.025 ccw(c79.231,28.641) 79.231,29.184 ccw(c79.231,29.727) v1@79.615,29.343
  Mid-Layer 1 w0.15: v1@79.627,29.128 ccw(c79.227,29.164) 79.511,29.448 ccw(c79.794,29.731) v1@79.831,29.332 ; v1(79.775,29.184) 79.5,29.459 79.5,32.383 84.404,37.287 84.404,37.846 84.86,38.302 91.261,38.302 91.846,38.887 92.432,38.887 93.569,37.75 103.173,37.75 v1(103.68,38.257) ; v1@103.455,38.257 cw(c102.912,38.257) 103.296,37.872 cw(c103.68,37.488) v1@103.68,38.032
  Bottom Layer w0.15: IC12.14@103.387,35.306 ccw(c103.131,35.562) 103.493,35.562 ccw(c103.855,35.562) IC12.14@103.599,35.306 ; IC12.14@103.493,34.5 103.493,36.005 103.68,36.192 v1(103.68,38.257) v1@103.68,38.333 ; v1@103.521,38.097 cw(c103.137,37.713) 103.68,37.713 cw(c104.223,37.713) v1@103.839,38.097
UART2_RXD: IC12.16 RA14.8 | length 45.7
  Top Layer w0.15: RA14.8@76.376,30.51 cw(c76.077,30.211) 76.5,30.211 cw(c76.922,30.212) RA14.8@76.624,30.51 ; RA14.8@76.5,30.634 76.5,29.553 v1(77.3,28.753) ; v1@77.075,28.753 ccw(c76.532,28.753) 76.916,29.137 ccw(c77.3,29.521) v1@77.3,28.978
  Mid-Layer 1 w0.15: v1@77.075,28.753 ccw(c76.532,28.753) 76.916,29.137 ccw(c77.3,29.521) v1@77.3,28.978 ; v1(77.3,28.753) 76.7,29.353 76.7,34.416 82.645,40.361 90.475,40.361 92.659,42.545 104.17,42.545 v1(104.575,42.95) ; v1@104.35,42.95 cw(c103.807,42.95) 104.191,42.566 cw(c104.575,42.182) v1@104.575,42.725
  Bottom Layer w0.15: IC12.16@104.048,42.316 ccw(c103.881,42.518) 104.143,42.518 ; IC12.16@104.143,41.5 104.143,42.518 ; IC12.16@104.239,42.316 cw(c104.406,42.518) 104.143,42.518 ; v1@104.35,42.95 cw(c103.807,42.95) 104.191,42.566 cw(c104.575,42.182) v1@104.575,42.725 ; v1(104.575,42.95) 104.143,42.518